# KiCad board led_res_0805_order.kicad_pcb (continued)
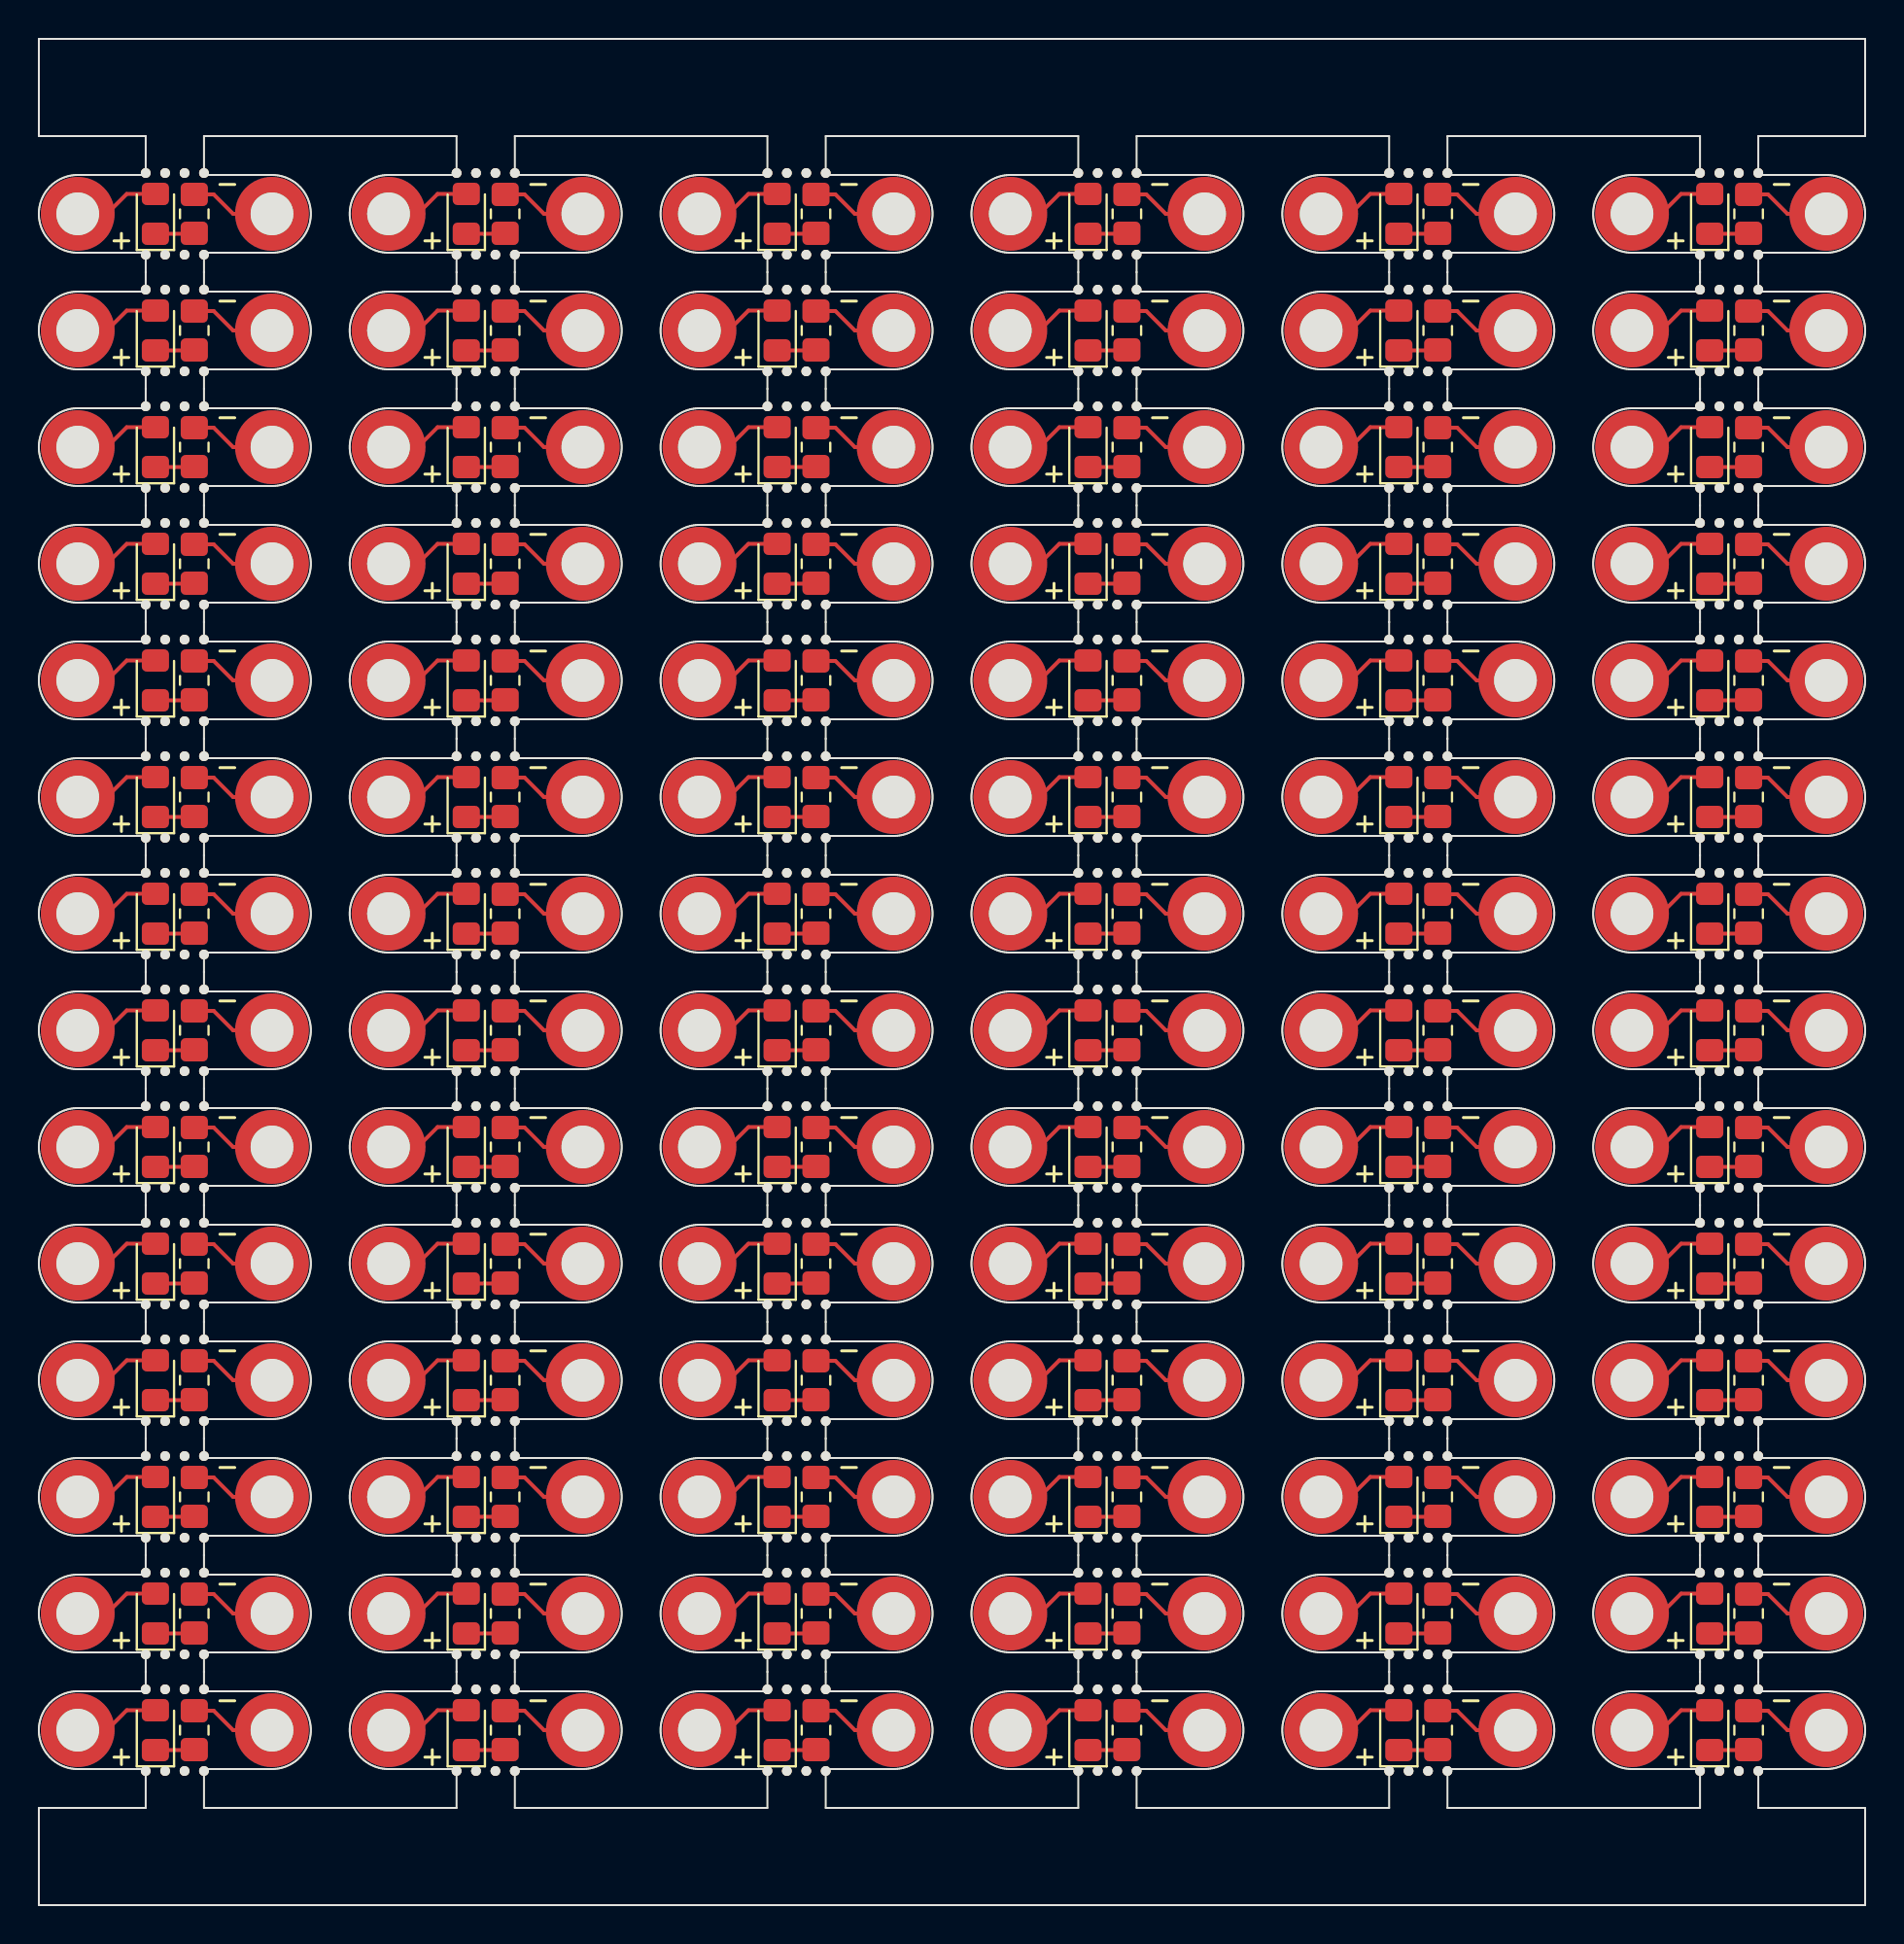
[diagram p0: board, top side]
## Placement (name value [footprint] x y rotation side) (continued)
H2#62  MountingHole_Pad  [MountingHole_2.2mm_M2_DIN965_Pad_TopBottom]  92 45 0 top
H2#63  MountingHole_Pad  [MountingHole_2.2mm_M2_DIN965_Pad_TopBottom]  28 21 0 top
H2#64  MountingHole_Pad  [MountingHole_2.2mm_M2_DIN965_Pad_TopBottom]  28 9 0 top
H2#65  MountingHole_Pad  [MountingHole_2.2mm_M2_DIN965_Pad_TopBottom]  28 39 0 top
H2#66  MountingHole_Pad  [MountingHole_2.2mm_M2_DIN965_Pad_TopBottom]  76 57 0 top
H2#67  MountingHole_Pad  [MountingHole_2.2mm_M2_DIN965_Pad_TopBottom]  76 27 0 top
H2#68  MountingHole_Pad  [MountingHole_2.2mm_M2_DIN965_Pad_TopBottom]  92 39 0 top
H2#69  MountingHole_Pad  [MountingHole_2.2mm_M2_DIN965_Pad_TopBottom]  60 9 0 top
H2#70  MountingHole_Pad  [MountingHole_2.2mm_M2_DIN965_Pad_TopBottom]  92 63 0 top
H2#71  MountingHole_Pad  [MountingHole_2.2mm_M2_DIN965_Pad_TopBottom]  12 63 0 top
H2#72  MountingHole_Pad  [MountingHole_2.2mm_M2_DIN965_Pad_TopBottom]  60 27 0 top
H2#73  MountingHole_Pad  [MountingHole_2.2mm_M2_DIN965_Pad_TopBottom]  60 69 0 top
H2#74  MountingHole_Pad  [MountingHole_2.2mm_M2_DIN965_Pad_TopBottom]  76 21 0 top
H2#75  MountingHole_Pad  [MountingHole_2.2mm_M2_DIN965_Pad_TopBottom]  76 87 0 top
H2#76  MountingHole_Pad  [MountingHole_2.2mm_M2_DIN965_Pad_TopBottom]  60 21 0 top
H2#77  MountingHole_Pad  [MountingHole_2.2mm_M2_DIN965_Pad_TopBottom]  12 69 0 top
H2#78  MountingHole_Pad  [MountingHole_2.2mm_M2_DIN965_Pad_TopBottom]  44 51 0 top
H2#79  MountingHole_Pad  [MountingHole_2.2mm_M2_DIN965_Pad_TopBottom]  60 33 0 top
H2#80  MountingHole_Pad  [MountingHole_2.2mm_M2_DIN965_Pad_TopBottom]  76 81 0 top
H2#81  MountingHole_Pad  [MountingHole_2.2mm_M2_DIN965_Pad_TopBottom]  76 39 0 top
H2#82  MountingHole_Pad  [MountingHole_2.2mm_M2_DIN965_Pad_TopBottom]  44 33 0 top
H2#83  MountingHole_Pad  [MountingHole_2.2mm_M2_DIN965_Pad_TopBottom]  44 15 0 top
H2#84  MountingHole_Pad  [MountingHole_2.2mm_M2_DIN965_Pad_TopBottom]  76 63 0 top
KiKit_MB_1_1  -  [NPTH]  5.5 89.1 0 top
KiKit_MB_1_2  -  [NPTH]  6.5 89.1 0 top
KiKit_MB_1_3  -  [NPTH]  7.5 89.1 0 top
KiKit_MB_1_4  -  [NPTH]  8.5 89.1 0 top
KiKit_MB_2_1  -  [NPTH]  8.5 84.9 0 top
KiKit_MB_2_2  -  [NPTH]  7.5 84.9 0 top
KiKit_MB_2_3  -  [NPTH]  6.5 84.9 0 top
KiKit_MB_2_4  -  [NPTH]  5.5 84.9 0 top
KiKit_MB_3_1  -  [NPTH]  21.5 89.1 0 top
KiKit_MB_3_2  -  [NPTH]  22.5 89.1 0 top
KiKit_MB_3_3  -  [NPTH]  23.5 89.1 0 top
KiKit_MB_3_4  -  [NPTH]  24.5 89.1 0 top
KiKit_MB_4_1  -  [NPTH]  24.5 84.9 0 top
KiKit_MB_4_2  -  [NPTH]  23.5 84.9 0 top
KiKit_MB_4_3  -  [NPTH]  22.5 84.9 0 top
KiKit_MB_4_4  -  [NPTH]  21.5 84.9 0 top
KiKit_MB_5_1  -  [NPTH]  37.5 89.1 0 top
KiKit_MB_5_2  -  [NPTH]  38.5 89.1 0 top
KiKit_MB_5_3  -  [NPTH]  39.5 89.1 0 top
KiKit_MB_5_4  -  [NPTH]  40.5 89.1 0 top
KiKit_MB_6_1  -  [NPTH]  40.5 84.9 0 top
KiKit_MB_6_2  -  [NPTH]  39.5 84.9 0 top
KiKit_MB_6_3  -  [NPTH]  38.5 84.9 0 top
KiKit_MB_6_4  -  [NPTH]  37.5 84.9 0 top
KiKit_MB_7_1  -  [NPTH]  53.5 89.1 0 top
KiKit_MB_7_2  -  [NPTH]  54.5 89.1 0 top
KiKit_MB_7_3  -  [NPTH]  55.5 89.1 0 top
KiKit_MB_7_4  -  [NPTH]  56.5 89.1 0 top
KiKit_MB_8_1  -  [NPTH]  56.5 84.9 0 top
KiKit_MB_8_2  -  [NPTH]  55.5 84.9 0 top
KiKit_MB_8_3  -  [NPTH]  54.5 84.9 0 top
KiKit_MB_8_4  -  [NPTH]  53.5 84.9 0 top
KiKit_MB_9_1  -  [NPTH]  69.5 89.1 0 top
KiKit_MB_9_2  -  [NPTH]  70.5 89.1 0 top
KiKit_MB_9_3  -  [NPTH]  71.5 89.1 0 top
KiKit_MB_9_4  -  [NPTH]  72.5 89.1 0 top
KiKit_MB_10_1  -  [NPTH]  72.5 84.9 0 top
KiKit_MB_10_2  -  [NPTH]  71.5 84.9 0 top
KiKit_MB_10_3  -  [NPTH]  70.5 84.9 0 top
KiKit_MB_10_4  -  [NPTH]  69.5 84.9 0 top
KiKit_MB_11_1  -  [NPTH]  85.5 89.1 0 top
KiKit_MB_11_2  -  [NPTH]  86.5 89.1 0 top
KiKit_MB_11_3  -  [NPTH]  87.5 89.1 0 top
KiKit_MB_11_4  -  [NPTH]  88.5 89.1 0 top
KiKit_MB_12_1  -  [NPTH]  88.5 84.9 0 top
KiKit_MB_12_2  -  [NPTH]  87.5 84.9 0 top
KiKit_MB_12_3  -  [NPTH]  86.5 84.9 0 top
KiKit_MB_12_4  -  [NPTH]  85.5 84.9 0 top
KiKit_MB_13_1  -  [NPTH]  5.5 83.1 0 top
KiKit_MB_13_2  -  [NPTH]  6.5 83.1 0 top
KiKit_MB_13_3  -  [NPTH]  7.5 83.1 0 top
KiKit_MB_13_4  -  [NPTH]  8.5 83.1 0 top
KiKit_MB_14_1  -  [NPTH]  8.5 78.9 0 top
KiKit_MB_14_2  -  [NPTH]  7.5 78.9 0 top
KiKit_MB_14_3  -  [NPTH]  6.5 78.9 0 top
KiKit_MB_14_4  -  [NPTH]  5.5 78.9 0 top
KiKit_MB_15_1  -  [NPTH]  21.5 83.1 0 top
KiKit_MB_15_2  -  [NPTH]  22.5 83.1 0 top
KiKit_MB_15_3  -  [NPTH]  23.5 83.1 0 top
KiKit_MB_15_4  -  [NPTH]  24.5 83.1 0 top
KiKit_MB_16_1  -  [NPTH]  24.5 78.9 0 top
KiKit_MB_16_2  -  [NPTH]  23.5 78.9 0 top
KiKit_MB_16_3  -  [NPTH]  22.5 78.9 0 top
KiKit_MB_16_4  -  [NPTH]  21.5 78.9 0 top
KiKit_MB_17_1  -  [NPTH]  37.5 83.1 0 top
KiKit_MB_17_2  -  [NPTH]  38.5 83.1 0 top
KiKit_MB_17_3  -  [NPTH]  39.5 83.1 0 top
KiKit_MB_17_4  -  [NPTH]  40.5 83.1 0 top
KiKit_MB_18_1  -  [NPTH]  40.5 78.9 0 top
KiKit_MB_18_2  -  [NPTH]  39.5 78.9 0 top
KiKit_MB_18_3  -  [NPTH]  38.5 78.9 0 top
KiKit_MB_18_4  -  [NPTH]  37.5 78.9 0 top
KiKit_MB_19_1  -  [NPTH]  53.5 83.1 0 top
KiKit_MB_19_2  -  [NPTH]  54.5 83.1 0 top
KiKit_MB_19_3  -  [NPTH]  55.5 83.1 0 top
KiKit_MB_19_4  -  [NPTH]  56.5 83.1 0 top
KiKit_MB_20_1  -  [NPTH]  56.5 78.9 0 top
KiKit_MB_20_2  -  [NPTH]  55.5 78.9 0 top
KiKit_MB_20_3  -  [NPTH]  54.5 78.9 0 top
KiKit_MB_20_4  -  [NPTH]  53.5 78.9 0 top
KiKit_MB_21_1  -  [NPTH]  69.5 83.1 0 top
KiKit_MB_21_2  -  [NPTH]  70.5 83.1 0 top
KiKit_MB_21_3  -  [NPTH]  71.5 83.1 0 top
KiKit_MB_21_4  -  [NPTH]  72.5 83.1 0 top
KiKit_MB_22_1  -  [NPTH]  72.5 78.9 0 top
KiKit_MB_22_2  -  [NPTH]  71.5 78.9 0 top
KiKit_MB_22_3  -  [NPTH]  70.5 78.9 0 top
KiKit_MB_22_4  -  [NPTH]  69.5 78.9 0 top
KiKit_MB_23_1  -  [NPTH]  85.5 83.1 0 top
KiKit_MB_23_2  -  [NPTH]  86.5 83.1 0 top
KiKit_MB_23_3  -  [NPTH]  87.5 83.1 0 top
KiKit_MB_23_4  -  [NPTH]  88.5 83.1 0 top
KiKit_MB_24_1  -  [NPTH]  88.5 78.9 0 top
KiKit_MB_24_2  -  [NPTH]  87.5 78.9 0 top
KiKit_MB_24_3  -  [NPTH]  86.5 78.9 0 top
KiKit_MB_24_4  -  [NPTH]  85.5 78.9 0 top
KiKit_MB_25_1  -  [NPTH]  5.5 77.1 0 top
KiKit_MB_25_2  -  [NPTH]  6.5 77.1 0 top
KiKit_MB_25_3  -  [NPTH]  7.5 77.1 0 top
KiKit_MB_25_4  -  [NPTH]  8.5 77.1 0 top
KiKit_MB_26_1  -  [NPTH]  8.5 72.9 0 top
KiKit_MB_26_2  -  [NPTH]  7.5 72.9 0 top
KiKit_MB_26_3  -  [NPTH]  6.5 72.9 0 top
KiKit_MB_26_4  -  [NPTH]  5.5 72.9 0 top
KiKit_MB_27_1  -  [NPTH]  21.5 77.1 0 top
KiKit_MB_27_2  -  [NPTH]  22.5 77.1 0 top
KiKit_MB_27_3  -  [NPTH]  23.5 77.1 0 top
KiKit_MB_27_4  -  [NPTH]  24.5 77.1 0 top
KiKit_MB_28_1  -  [NPTH]  24.5 72.9 0 top
KiKit_MB_28_2  -  [NPTH]  23.5 72.9 0 top
KiKit_MB_28_3  -  [NPTH]  22.5 72.9 0 top
KiKit_MB_28_4  -  [NPTH]  21.5 72.9 0 top
KiKit_MB_29_1  -  [NPTH]  37.5 77.1 0 top
KiKit_MB_29_2  -  [NPTH]  38.5 77.1 0 top
KiKit_MB_29_3  -  [NPTH]  39.5 77.1 0 top
KiKit_MB_29_4  -  [NPTH]  40.5 77.1 0 top
KiKit_MB_30_1  -  [NPTH]  40.5 72.9 0 top
KiKit_MB_30_2  -  [NPTH]  39.5 72.9 0 top
KiKit_MB_30_3  -  [NPTH]  38.5 72.9 0 top
KiKit_MB_30_4  -  [NPTH]  37.5 72.9 0 top
KiKit_MB_31_1  -  [NPTH]  53.5 77.1 0 top
KiKit_MB_31_2  -  [NPTH]  54.5 77.1 0 top
KiKit_MB_31_3  -  [NPTH]  55.5 77.1 0 top
KiKit_MB_31_4  -  [NPTH]  56.5 77.1 0 top
KiKit_MB_32_1  -  [NPTH]  56.5 72.9 0 top
KiKit_MB_32_2  -  [NPTH]  55.5 72.9 0 top
KiKit_MB_32_3  -  [NPTH]  54.5 72.9 0 top
KiKit_MB_32_4  -  [NPTH]  53.5 72.9 0 top
KiKit_MB_33_1  -  [NPTH]  69.5 77.1 0 top
KiKit_MB_33_2  -  [NPTH]  70.5 77.1 0 top
KiKit_MB_33_3  -  [NPTH]  71.5 77.1 0 top
KiKit_MB_33_4  -  [NPTH]  72.5 77.1 0 top
KiKit_MB_34_1  -  [NPTH]  72.5 72.9 0 top
KiKit_MB_34_2  -  [NPTH]  71.5 72.9 0 top
KiKit_MB_34_3  -  [NPTH]  70.5 72.9 0 top
KiKit_MB_34_4  -  [NPTH]  69.5 72.9 0 top
KiKit_MB_35_1  -  [NPTH]  85.5 77.1 0 top
KiKit_MB_35_2  -  [NPTH]  86.5 77.1 0 top
KiKit_MB_35_3  -  [NPTH]  87.5 77.1 0 top
KiKit_MB_35_4  -  [NPTH]  88.5 77.1 0 top
KiKit_MB_36_1  -  [NPTH]  88.5 72.9 0 top
KiKit_MB_36_2  -  [NPTH]  87.5 72.9 0 top
KiKit_MB_36_3  -  [NPTH]  86.5 72.9 0 top
KiKit_MB_36_4  -  [NPTH]  85.5 72.9 0 top
KiKit_MB_37_1  -  [NPTH]  5.5 71.1 0 top
KiKit_MB_37_2  -  [NPTH]  6.5 71.1 0 top
KiKit_MB_37_3  -  [NPTH]  7.5 71.1 0 top
KiKit_MB_37_4  -  [NPTH]  8.5 71.1 0 top
KiKit_MB_38_1  -  [NPTH]  8.5 66.9 0 top
KiKit_MB_38_2  -  [NPTH]  7.5 66.9 0 top
KiKit_MB_38_3  -  [NPTH]  6.5 66.9 0 top
KiKit_MB_38_4  -  [NPTH]  5.5 66.9 0 top
KiKit_MB_39_1  -  [NPTH]  21.5 71.1 0 top
KiKit_MB_39_2  -  [NPTH]  22.5 71.1 0 top
KiKit_MB_39_3  -  [NPTH]  23.5 71.1 0 top
KiKit_MB_39_4  -  [NPTH]  24.5 71.1 0 top
KiKit_MB_40_1  -  [NPTH]  24.5 66.9 0 top
KiKit_MB_40_2  -  [NPTH]  23.5 66.9 0 top
KiKit_MB_40_3  -  [NPTH]  22.5 66.9 0 top
KiKit_MB_40_4  -  [NPTH]  21.5 66.9 0 top
KiKit_MB_41_1  -  [NPTH]  37.5 71.1 0 top
KiKit_MB_41_2  -  [NPTH]  38.5 71.1 0 top
KiKit_MB_41_3  -  [NPTH]  39.5 71.1 0 top
KiKit_MB_41_4  -  [NPTH]  40.5 71.1 0 top
KiKit_MB_42_1  -  [NPTH]  40.5 66.9 0 top
KiKit_MB_42_2  -  [NPTH]  39.5 66.9 0 top
KiKit_MB_42_3  -  [NPTH]  38.5 66.9 0 top
KiKit_MB_42_4  -  [NPTH]  37.5 66.9 0 top
KiKit_MB_43_1  -  [NPTH]  53.5 71.1 0 top
KiKit_MB_43_2  -  [NPTH]  54.5 71.1 0 top
KiKit_MB_43_3  -  [NPTH]  55.5 71.1 0 top
KiKit_MB_43_4  -  [NPTH]  56.5 71.1 0 top
KiKit_MB_44_1  -  [NPTH]  56.5 66.9 0 top
KiKit_MB_44_2  -  [NPTH]  55.5 66.9 0 top
KiKit_MB_44_3  -  [NPTH]  54.5 66.9 0 top
KiKit_MB_44_4  -  [NPTH]  53.5 66.9 0 top
KiKit_MB_45_1  -  [NPTH]  69.5 71.1 0 top
KiKit_MB_45_2  -  [NPTH]  70.5 71.1 0 top
KiKit_MB_45_3  -  [NPTH]  71.5 71.1 0 top
KiKit_MB_45_4  -  [NPTH]  72.5 71.1 0 top
KiKit_MB_46_1  -  [NPTH]  72.5 66.9 0 top
KiKit_MB_46_2  -  [NPTH]  71.5 66.9 0 top
KiKit_MB_46_3  -  [NPTH]  70.5 66.9 0 top
KiKit_MB_46_4  -  [NPTH]  69.5 66.9 0 top
KiKit_MB_47_1  -  [NPTH]  85.5 71.1 0 top
KiKit_MB_47_2  -  [NPTH]  86.5 71.1 0 top
KiKit_MB_47_3  -  [NPTH]  87.5 71.1 0 top
KiKit_MB_47_4  -  [NPTH]  88.5 71.1 0 top
KiKit_MB_48_1  -  [NPTH]  88.5 66.9 0 top
KiKit_MB_48_2  -  [NPTH]  87.5 66.9 0 top
KiKit_MB_48_3  -  [NPTH]  86.5 66.9 0 top
KiKit_MB_48_4  -  [NPTH]  85.5 66.9 0 top
KiKit_MB_49_1  -  [NPTH]  5.5 65.1 0 top
KiKit_MB_49_2  -  [NPTH]  6.5 65.1 0 top
KiKit_MB_49_3  -  [NPTH]  7.5 65.1 0 top
KiKit_MB_49_4  -  [NPTH]  8.5 65.1 0 top
KiKit_MB_50_1  -  [NPTH]  8.5 60.9 0 top
KiKit_MB_50_2  -  [NPTH]  7.5 60.9 0 top
KiKit_MB_50_3  -  [NPTH]  6.5 60.9 0 top
KiKit_MB_50_4  -  [NPTH]  5.5 60.9 0 top
KiKit_MB_51_1  -  [NPTH]  21.5 65.1 0 top
KiKit_MB_51_2  -  [NPTH]  22.5 65.1 0 top
KiKit_MB_51_3  -  [NPTH]  23.5 65.1 0 top
KiKit_MB_51_4  -  [NPTH]  24.5 65.1 0 top
KiKit_MB_52_1  -  [NPTH]  24.5 60.9 0 top
KiKit_MB_52_2  -  [NPTH]  23.5 60.9 0 top
KiKit_MB_52_3  -  [NPTH]  22.5 60.9 0 top
KiKit_MB_52_4  -  [NPTH]  21.5 60.9 0 top
KiKit_MB_53_1  -  [NPTH]  37.5 65.1 0 top
KiKit_MB_53_2  -  [NPTH]  38.5 65.1 0 top
KiKit_MB_53_3  -  [NPTH]  39.5 65.1 0 top
KiKit_MB_53_4  -  [NPTH]  40.5 65.1 0 top
KiKit_MB_54_1  -  [NPTH]  40.5 60.9 0 top
KiKit_MB_54_2  -  [NPTH]  39.5 60.9 0 top
KiKit_MB_54_3  -  [NPTH]  38.5 60.9 0 top
KiKit_MB_54_4  -  [NPTH]  37.5 60.9 0 top
KiKit_MB_55_1  -  [NPTH]  53.5 65.1 0 top
KiKit_MB_55_2  -  [NPTH]  54.5 65.1 0 top
KiKit_MB_55_3  -  [NPTH]  55.5 65.1 0 top
KiKit_MB_55_4  -  [NPTH]  56.5 65.1 0 top
KiKit_MB_56_1  -  [NPTH]  56.5 60.9 0 top
KiKit_MB_56_2  -  [NPTH]  55.5 60.9 0 top
KiKit_MB_56_3  -  [NPTH]  54.5 60.9 0 top
KiKit_MB_56_4  -  [NPTH]  53.5 60.9 0 top
KiKit_MB_57_1  -  [NPTH]  69.5 65.1 0 top
KiKit_MB_57_2  -  [NPTH]  70.5 65.1 0 top
KiKit_MB_57_3  -  [NPTH]  71.5 65.1 0 top
KiKit_MB_57_4  -  [NPTH]  72.5 65.1 0 top
KiKit_MB_58_1  -  [NPTH]  72.5 60.9 0 top
KiKit_MB_58_2  -  [NPTH]  71.5 60.9 0 top
KiKit_MB_58_3  -  [NPTH]  70.5 60.9 0 top
KiKit_MB_58_4  -  [NPTH]  69.5 60.9 0 top
KiKit_MB_59_1  -  [NPTH]  85.5 65.1 0 top
KiKit_MB_59_2  -  [NPTH]  86.5 65.1 0 top
KiKit_MB_59_3  -  [NPTH]  87.5 65.1 0 top
KiKit_MB_59_4  -  [NPTH]  88.5 65.1 0 top
KiKit_MB_60_1  -  [NPTH]  88.5 60.9 0 top
KiKit_MB_60_2  -  [NPTH]  87.5 60.9 0 top
KiKit_MB_60_3  -  [NPTH]  86.5 60.9 0 top
KiKit_MB_60_4  -  [NPTH]  85.5 60.9 0 top
KiKit_MB_61_1  -  [NPTH]  5.5 59.1 0 top
KiKit_MB_61_2  -  [NPTH]  6.5 59.1 0 top
KiKit_MB_61_3  -  [NPTH]  7.5 59.1 0 top
KiKit_MB_61_4  -  [NPTH]  8.5 59.1 0 top
KiKit_MB_62_1  -  [NPTH]  8.5 54.9 0 top
KiKit_MB_62_2  -  [NPTH]  7.5 54.9 0 top
KiKit_MB_62_3  -  [NPTH]  6.5 54.9 0 top
KiKit_MB_62_4  -  [NPTH]  5.5 54.9 0 top
KiKit_MB_63_1  -  [NPTH]  21.5 59.1 0 top
KiKit_MB_63_2  -  [NPTH]  22.5 59.1 0 top
KiKit_MB_63_3  -  [NPTH]  23.5 59.1 0 top
KiKit_MB_63_4  -  [NPTH]  24.5 59.1 0 top
KiKit_MB_64_1  -  [NPTH]  24.5 54.9 0 top
KiKit_MB_64_2  -  [NPTH]  23.5 54.9 0 top
KiKit_MB_64_3  -  [NPTH]  22.5 54.9 0 top
KiKit_MB_64_4  -  [NPTH]  21.5 54.9 0 top
KiKit_MB_65_1  -  [NPTH]  37.5 59.1 0 top
KiKit_MB_65_2  -  [NPTH]  38.5 59.1 0 top
KiKit_MB_65_3  -  [NPTH]  39.5 59.1 0 top
KiKit_MB_65_4  -  [NPTH]  40.5 59.1 0 top
KiKit_MB_66_1  -  [NPTH]  40.5 54.9 0 top
KiKit_MB_66_2  -  [NPTH]  39.5 54.9 0 top
KiKit_MB_66_3  -  [NPTH]  38.5 54.9 0 top
KiKit_MB_66_4  -  [NPTH]  37.5 54.9 0 top
KiKit_MB_67_1  -  [NPTH]  53.5 59.1 0 top
KiKit_MB_67_2  -  [NPTH]  54.5 59.1 0 top
KiKit_MB_67_3  -  [NPTH]  55.5 59.1 0 top
KiKit_MB_67_4  -  [NPTH]  56.5 59.1 0 top
KiKit_MB_68_1  -  [NPTH]  56.5 54.9 0 top
KiKit_MB_68_2  -  [NPTH]  55.5 54.9 0 top
KiKit_MB_68_3  -  [NPTH]  54.5 54.9 0 top
KiKit_MB_68_4  -  [NPTH]  53.5 54.9 0 top
KiKit_MB_69_1  -  [NPTH]  69.5 59.1 0 top
KiKit_MB_69_2  -  [NPTH]  70.5 59.1 0 top
KiKit_MB_69_3  -  [NPTH]  71.5 59.1 0 top
KiKit_MB_69_4  -  [NPTH]  72.5 59.1 0 top
KiKit_MB_70_1  -  [NPTH]  72.5 54.9 0 top
KiKit_MB_70_2  -  [NPTH]  71.5 54.9 0 top
KiKit_MB_70_3  -  [NPTH]  70.5 54.9 0 top
KiKit_MB_70_4  -  [NPTH]  69.5 54.9 0 top
KiKit_MB_71_1  -  [NPTH]  85.5 59.1 0 top
KiKit_MB_71_2  -  [NPTH]  86.5 59.1 0 top
KiKit_MB_71_3  -  [NPTH]  87.5 59.1 0 top
KiKit_MB_71_4  -  [NPTH]  88.5 59.1 0 top
KiKit_MB_72_1  -  [NPTH]  88.5 54.9 0 top
KiKit_MB_72_2  -  [NPTH]  87.5 54.9 0 top
KiKit_MB_72_3  -  [NPTH]  86.5 54.9 0 top
KiKit_MB_72_4  -  [NPTH]  85.5 54.9 0 top
KiKit_MB_73_1  -  [NPTH]  5.5 53.1 0 top
KiKit_MB_73_2  -  [NPTH]  6.5 53.1 0 top
KiKit_MB_73_3  -  [NPTH]  7.5 53.1 0 top
KiKit_MB_73_4  -  [NPTH]  8.5 53.1 0 top
KiKit_MB_74_1  -  [NPTH]  8.5 48.9 0 top
KiKit_MB_74_2  -  [NPTH]  7.5 48.9 0 top
KiKit_MB_74_3  -  [NPTH]  6.5 48.9 0 top
KiKit_MB_74_4  -  [NPTH]  5.5 48.9 0 top
KiKit_MB_75_1  -  [NPTH]  21.5 53.1 0 top
KiKit_MB_75_2  -  [NPTH]  22.5 53.1 0 top
KiKit_MB_75_3  -  [NPTH]  23.5 53.1 0 top
KiKit_MB_75_4  -  [NPTH]  24.5 53.1 0 top
KiKit_MB_76_1  -  [NPTH]  24.5 48.9 0 top
KiKit_MB_76_2  -  [NPTH]  23.5 48.9 0 top
KiKit_MB_76_3  -  [NPTH]  22.5 48.9 0 top
KiKit_MB_76_4  -  [NPTH]  21.5 48.9 0 top
KiKit_MB_77_1  -  [NPTH]  37.5 53.1 0 top
KiKit_MB_77_2  -  [NPTH]  38.5 53.1 0 top
KiKit_MB_77_3  -  [NPTH]  39.5 53.1 0 top
KiKit_MB_77_4  -  [NPTH]  40.5 53.1 0 top
KiKit_MB_78_1  -  [NPTH]  40.5 48.9 0 top
KiKit_MB_78_2  -  [NPTH]  39.5 48.9 0 top
KiKit_MB_78_3  -  [NPTH]  38.5 48.9 0 top
KiKit_MB_78_4  -  [NPTH]  37.5 48.9 0 top
KiKit_MB_79_1  -  [NPTH]  53.5 53.1 0 top
KiKit_MB_79_2  -  [NPTH]  54.5 53.1 0 top
KiKit_MB_79_3  -  [NPTH]  55.5 53.1 0 top
KiKit_MB_79_4  -  [NPTH]  56.5 53.1 0 top
KiKit_MB_80_1  -  [NPTH]  56.5 48.9 0 top
KiKit_MB_80_2  -  [NPTH]  55.5 48.9 0 top
KiKit_MB_80_3  -  [NPTH]  54.5 48.9 0 top
KiKit_MB_80_4  -  [NPTH]  53.5 48.9 0 top
KiKit_MB_81_1  -  [NPTH]  69.5 53.1 0 top
KiKit_MB_81_2  -  [NPTH]  70.5 53.1 0 top
KiKit_MB_81_3  -  [NPTH]  71.5 53.1 0 top
KiKit_MB_81_4  -  [NPTH]  72.5 53.1 0 top
KiKit_MB_82_1  -  [NPTH]  72.5 48.9 0 top
KiKit_MB_82_2  -  [NPTH]  71.5 48.9 0 top
KiKit_MB_82_3  -  [NPTH]  70.5 48.9 0 top
KiKit_MB_82_4  -  [NPTH]  69.5 48.9 0 top
KiKit_MB_83_1  -  [NPTH]  85.5 53.1 0 top
KiKit_MB_83_2  -  [NPTH]  86.5 53.1 0 top
KiKit_MB_83_3  -  [NPTH]  87.5 53.1 0 top
KiKit_MB_83_4  -  [NPTH]  88.5 53.1 0 top
KiKit_MB_84_1  -  [NPTH]  88.5 48.9 0 top
KiKit_MB_84_2  -  [NPTH]  87.5 48.9 0 top
KiKit_MB_84_3  -  [NPTH]  86.5 48.9 0 top
KiKit_MB_84_4  -  [NPTH]  85.5 48.9 0 top
KiKit_MB_85_1  -  [NPTH]  5.5 47.1 0 top
KiKit_MB_85_2  -  [NPTH]  6.5 47.1 0 top
KiKit_MB_85_3  -  [NPTH]  7.5 47.1 0 top
KiKit_MB_85_4  -  [NPTH]  8.5 47.1 0 top
KiKit_MB_86_1  -  [NPTH]  8.5 42.9 0 top
KiKit_MB_86_2  -  [NPTH]  7.5 42.9 0 top
KiKit_MB_86_3  -  [NPTH]  6.5 42.9 0 top
KiKit_MB_86_4  -  [NPTH]  5.5 42.9 0 top
KiKit_MB_87_1  -  [NPTH]  21.5 47.1 0 top
KiKit_MB_87_2  -  [NPTH]  22.5 47.1 0 top
KiKit_MB_87_3  -  [NPTH]  23.5 47.1 0 top
KiKit_MB_87_4  -  [NPTH]  24.5 47.1 0 top
KiKit_MB_88_1  -  [NPTH]  24.5 42.9 0 top
KiKit_MB_88_2  -  [NPTH]  23.5 42.9 0 top
KiKit_MB_88_3  -  [NPTH]  22.5 42.9 0 top
KiKit_MB_88_4  -  [NPTH]  21.5 42.9 0 top
KiKit_MB_89_1  -  [NPTH]  37.5 47.1 0 top
KiKit_MB_89_2  -  [NPTH]  38.5 47.1 0 top
KiKit_MB_89_3  -  [NPTH]  39.5 47.1 0 top
KiKit_MB_89_4  -  [NPTH]  40.5 47.1 0 top
KiKit_MB_90_1  -  [NPTH]  40.5 42.9 0 top
KiKit_MB_90_2  -  [NPTH]  39.5 42.9 0 top
KiKit_MB_90_3  -  [NPTH]  38.5 42.9 0 top
KiKit_MB_90_4  -  [NPTH]  37.5 42.9 0 top
KiKit_MB_91_1  -  [NPTH]  53.5 47.1 0 top
KiKit_MB_91_2  -  [NPTH]  54.5 47.1 0 top
KiKit_MB_91_3  -  [NPTH]  55.5 47.1 0 top
KiKit_MB_91_4  -  [NPTH]  56.5 47.1 0 top
KiKit_MB_92_1  -  [NPTH]  56.5 42.9 0 top
KiKit_MB_92_2  -  [NPTH]  55.5 42.9 0 top
KiKit_MB_92_3  -  [NPTH]  54.5 42.9 0 top
KiKit_MB_92_4  -  [NPTH]  53.5 42.9 0 top
KiKit_MB_93_1  -  [NPTH]  69.5 47.1 0 top
KiKit_MB_93_2  -  [NPTH]  70.5 47.1 0 top
KiKit_MB_93_3  -  [NPTH]  71.5 47.1 0 top
KiKit_MB_93_4  -  [NPTH]  72.5 47.1 0 top
KiKit_MB_94_1  -  [NPTH]  72.5 42.9 0 top
KiKit_MB_94_2  -  [NPTH]  71.5 42.9 0 top
KiKit_MB_94_3  -  [NPTH]  70.5 42.9 0 top
KiKit_MB_94_4  -  [NPTH]  69.5 42.9 0 top
KiKit_MB_95_1  -  [NPTH]  85.5 47.1 0 top
KiKit_MB_95_2  -  [NPTH]  86.5 47.1 0 top
KiKit_MB_95_3  -  [NPTH]  87.5 47.1 0 top
KiKit_MB_95_4  -  [NPTH]  88.5 47.1 0 top
KiKit_MB_96_1  -  [NPTH]  88.5 42.9 0 top
KiKit_MB_96_2  -  [NPTH]  87.5 42.9 0 top
KiKit_MB_96_3  -  [NPTH]  86.5 42.9 0 top
KiKit_MB_96_4  -  [NPTH]  85.5 42.9 0 top
KiKit_MB_97_1  -  [NPTH]  5.5 41.1 0 top
KiKit_MB_97_2  -  [NPTH]  6.5 41.1 0 top
KiKit_MB_97_3  -  [NPTH]  7.5 41.1 0 top
KiKit_MB_97_4  -  [NPTH]  8.5 41.1 0 top
KiKit_MB_98_1  -  [NPTH]  8.5 36.9 0 top
KiKit_MB_98_2  -  [NPTH]  7.5 36.9 0 top
KiKit_MB_98_3  -  [NPTH]  6.5 36.9 0 top
KiKit_MB_98_4  -  [NPTH]  5.5 36.9 0 top
KiKit_MB_99_1  -  [NPTH]  21.5 41.1 0 top
KiKit_MB_99_2  -  [NPTH]  22.5 41.1 0 top
KiKit_MB_99_3  -  [NPTH]  23.5 41.1 0 top
KiKit_MB_99_4  -  [NPTH]  24.5 41.1 0 top
KiKit_MB_100_1  -  [NPTH]  24.5 36.9 0 top
KiKit_MB_100_2  -  [NPTH]  23.5 36.9 0 top
KiKit_MB_100_3  -  [NPTH]  22.5 36.9 0 top
KiKit_MB_100_4  -  [NPTH]  21.5 36.9 0 top
KiKit_MB_101_1  -  [NPTH]  37.5 41.1 0 top
KiKit_MB_101_2  -  [NPTH]  38.5 41.1 0 top
KiKit_MB_101_3  -  [NPTH]  39.5 41.1 0 top
KiKit_MB_101_4  -  [NPTH]  40.5 41.1 0 top
KiKit_MB_102_1  -  [NPTH]  40.5 36.9 0 top
KiKit_MB_102_2  -  [NPTH]  39.5 36.9 0 top
KiKit_MB_102_3  -  [NPTH]  38.5 36.9 0 top
KiKit_MB_102_4  -  [NPTH]  37.5 36.9 0 top
KiKit_MB_103_1  -  [NPTH]  53.5 41.1 0 top
KiKit_MB_103_2  -  [NPTH]  54.5 41.1 0 top
KiKit_MB_103_3  -  [NPTH]  55.5 41.1 0 top
KiKit_MB_103_4  -  [NPTH]  56.5 41.1 0 top
KiKit_MB_104_1  -  [NPTH]  56.5 36.9 0 top
KiKit_MB_104_2  -  [NPTH]  55.5 36.9 0 top
KiKit_MB_104_3  -  [NPTH]  54.5 36.9 0 top
KiKit_MB_104_4  -  [NPTH]  53.5 36.9 0 top
KiKit_MB_105_1  -  [NPTH]  69.5 41.1 0 top
KiKit_MB_105_2  -  [NPTH]  70.5 41.1 0 top
KiKit_MB_105_3  -  [NPTH]  71.5 41.1 0 top
KiKit_MB_105_4  -  [NPTH]  72.5 41.1 0 top
KiKit_MB_106_1  -  [NPTH]  72.5 36.9 0 top
KiKit_MB_106_2  -  [NPTH]  71.5 36.9 0 top
KiKit_MB_106_3  -  [NPTH]  70.5 36.9 0 top
KiKit_MB_106_4  -  [NPTH]  69.5 36.9 0 top
KiKit_MB_107_1  -  [NPTH]  85.5 41.1 0 top
KiKit_MB_107_2  -  [NPTH]  86.5 41.1 0 top
KiKit_MB_107_3  -  [NPTH]  87.5 41.1 0 top
KiKit_MB_107_4  -  [NPTH]  88.5 41.1 0 top
KiKit_MB_108_1  -  [NPTH]  88.5 36.9 0 top
KiKit_MB_108_2  -  [NPTH]  87.5 36.9 0 top
KiKit_MB_108_3  -  [NPTH]  86.5 36.9 0 top
KiKit_MB_108_4  -  [NPTH]  85.5 36.9 0 top
KiKit_MB_109_1  -  [NPTH]  5.5 35.1 0 top
KiKit_MB_109_2  -  [NPTH]  6.5 35.1 0 top
KiKit_MB_109_3  -  [NPTH]  7.5 35.1 0 top
KiKit_MB_109_4  -  [NPTH]  8.5 35.1 0 top
KiKit_MB_110_1  -  [NPTH]  8.5 30.9 0 top
KiKit_MB_110_2  -  [NPTH]  7.5 30.9 0 top
KiKit_MB_110_3  -  [NPTH]  6.5 30.9 0 top
KiKit_MB_110_4  -  [NPTH]  5.5 30.9 0 top
KiKit_MB_111_1  -  [NPTH]  21.5 35.1 0 top
KiKit_MB_111_2  -  [NPTH]  22.5 35.1 0 top
KiKit_MB_111_3  -  [NPTH]  23.5 35.1 0 top
KiKit_MB_111_4  -  [NPTH]  24.5 35.1 0 top
KiKit_MB_112_1  -  [NPTH]  24.5 30.9 0 top
KiKit_MB_112_2  -  [NPTH]  23.5 30.9 0 top
KiKit_MB_112_3  -  [NPTH]  22.5 30.9 0 top
KiKit_MB_112_4  -  [NPTH]  21.5 30.9 0 top
KiKit_MB_113_1  -  [NPTH]  37.5 35.1 0 top
KiKit_MB_113_2  -  [NPTH]  38.5 35.1 0 top
KiKit_MB_113_3  -  [NPTH]  39.5 35.1 0 top
KiKit_MB_113_4  -  [NPTH]  40.5 35.1 0 top
KiKit_MB_114_1  -  [NPTH]  40.5 30.9 0 top
KiKit_MB_114_2  -  [NPTH]  39.5 30.9 0 top
KiKit_MB_114_3  -  [NPTH]  38.5 30.9 0 top
KiKit_MB_114_4  -  [NPTH]  37.5 30.9 0 top
KiKit_MB_115_1  -  [NPTH]  53.5 35.1 0 top
KiKit_MB_115_2  -  [NPTH]  54.5 35.1 0 top
KiKit_MB_115_3  -  [NPTH]  55.5 35.1 0 top
KiKit_MB_115_4  -  [NPTH]  56.5 35.1 0 top
KiKit_MB_116_1  -  [NPTH]  56.5 30.9 0 top
KiKit_MB_116_2  -  [NPTH]  55.5 30.9 0 top
KiKit_MB_116_3  -  [NPTH]  54.5 30.9 0 top
KiKit_MB_116_4  -  [NPTH]  53.5 30.9 0 top
KiKit_MB_117_1  -  [NPTH]  69.5 35.1 0 top
KiKit_MB_117_2  -  [NPTH]  70.5 35.1 0 top
KiKit_MB_117_3  -  [NPTH]  71.5 35.1 0 top
KiKit_MB_117_4  -  [NPTH]  72.5 35.1 0 top
KiKit_MB_118_1  -  [NPTH]  72.5 30.9 0 top
KiKit_MB_118_2  -  [NPTH]  71.5 30.9 0 top
KiKit_MB_118_3  -  [NPTH]  70.5 30.9 0 top
KiKit_MB_118_4  -  [NPTH]  69.5 30.9 0 top
KiKit_MB_119_1  -  [NPTH]  85.5 35.1 0 top
KiKit_MB_119_2  -  [NPTH]  86.5 35.1 0 top
KiKit_MB_119_3  -  [NPTH]  87.5 35.1 0 top
KiKit_MB_119_4  -  [NPTH]  88.5 35.1 0 top
KiKit_MB_120_1  -  [NPTH]  88.5 30.9 0 top
KiKit_MB_120_2  -  [NPTH]  87.5 30.9 0 top
KiKit_MB_120_3  -  [NPTH]  86.5 30.9 0 top
KiKit_MB_120_4  -  [NPTH]  85.5 30.9 0 top
KiKit_MB_121_1  -  [NPTH]  5.5 29.1 0 top
KiKit_MB_121_2  -  [NPTH]  6.5 29.1 0 top
KiKit_MB_121_3  -  [NPTH]  7.5 29.1 0 top
KiKit_MB_121_4  -  [NPTH]  8.5 29.1 0 top
KiKit_MB_122_1  -  [NPTH]  8.5 24.9 0 top
KiKit_MB_122_2  -  [NPTH]  7.5 24.9 0 top
KiKit_MB_122_3  -  [NPTH]  6.5 24.9 0 top
KiKit_MB_122_4  -  [NPTH]  5.5 24.9 0 top
KiKit_MB_123_1  -  [NPTH]  21.5 29.1 0 top
KiKit_MB_123_2  -  [NPTH]  22.5 29.1 0 top
KiKit_MB_123_3  -  [NPTH]  23.5 29.1 0 top
KiKit_MB_123_4  -  [NPTH]  24.5 29.1 0 top
KiKit_MB_124_1  -  [NPTH]  24.5 24.9 0 top
KiKit_MB_124_2  -  [NPTH]  23.5 24.9 0 top
KiKit_MB_124_3  -  [NPTH]  22.5 24.9 0 top
KiKit_MB_124_4  -  [NPTH]  21.5 24.9 0 top
KiKit_MB_125_1  -  [NPTH]  37.5 29.1 0 top
KiKit_MB_125_2  -  [NPTH]  38.5 29.1 0 top
KiKit_MB_125_3  -  [NPTH]  39.5 29.1 0 top
KiKit_MB_125_4  -  [NPTH]  40.5 29.1 0 top
KiKit_MB_126_1  -  [NPTH]  40.5 24.9 0 top
KiKit_MB_126_2  -  [NPTH]  39.5 24.9 0 top
KiKit_MB_126_3  -  [NPTH]  38.5 24.9 0 top
KiKit_MB_126_4  -  [NPTH]  37.5 24.9 0 top
KiKit_MB_127_1  -  [NPTH]  53.5 29.1 0 top
KiKit_MB_127_2  -  [NPTH]  54.5 29.1 0 top
KiKit_MB_127_3  -  [NPTH]  55.5 29.1 0 top
KiKit_MB_127_4  -  [NPTH]  56.5 29.1 0 top
KiKit_MB_128_1  -  [NPTH]  56.5 24.9 0 top
KiKit_MB_128_2  -  [NPTH]  55.5 24.9 0 top
KiKit_MB_128_3  -  [NPTH]  54.5 24.9 0 top
KiKit_MB_128_4  -  [NPTH]  53.5 24.9 0 top
KiKit_MB_129_1  -  [NPTH]  69.5 29.1 0 top
KiKit_MB_129_2  -  [NPTH]  70.5 29.1 0 top
KiKit_MB_129_3  -  [NPTH]  71.5 29.1 0 top
KiKit_MB_129_4  -  [NPTH]  72.5 29.1 0 top
KiKit_MB_130_1  -  [NPTH]  72.5 24.9 0 top
KiKit_MB_130_2  -  [NPTH]  71.5 24.9 0 top
KiKit_MB_130_3  -  [NPTH]  70.5 24.9 0 top
KiKit_MB_130_4  -  [NPTH]  69.5 24.9 0 top
KiKit_MB_131_1  -  [NPTH]  85.5 29.1 0 top
KiKit_MB_131_2  -  [NPTH]  86.5 29.1 0 top
KiKit_MB_131_3  -  [NPTH]  87.5 29.1 0 top
KiKit_MB_131_4  -  [NPTH]  88.5 29.1 0 top
KiKit_MB_132_1  -  [NPTH]  88.5 24.9 0 top
KiKit_MB_132_2  -  [NPTH]  87.5 24.9 0 top
KiKit_MB_132_3  -  [NPTH]  86.5 24.9 0 top
KiKit_MB_132_4  -  [NPTH]  85.5 24.9 0 top
KiKit_MB_133_1  -  [NPTH]  5.5 23.1 0 top
KiKit_MB_133_2  -  [NPTH]  6.5 23.1 0 top
KiKit_MB_133_3  -  [NPTH]  7.5 23.1 0 top
KiKit_MB_133_4  -  [NPTH]  8.5 23.1 0 top
KiKit_MB_134_1  -  [NPTH]  8.5 18.9 0 top
KiKit_MB_134_2  -  [NPTH]  7.5 18.9 0 top
KiKit_MB_134_3  -  [NPTH]  6.5 18.9 0 top
KiKit_MB_134_4  -  [NPTH]  5.5 18.9 0 top
KiKit_MB_135_1  -  [NPTH]  21.5 23.1 0 top
KiKit_MB_135_2  -  [NPTH]  22.5 23.1 0 top
KiKit_MB_135_3  -  [NPTH]  23.5 23.1 0 top
KiKit_MB_135_4  -  [NPTH]  24.5 23.1 0 top
KiKit_MB_136_1  -  [NPTH]  24.5 18.9 0 top
KiKit_MB_136_2  -  [NPTH]  23.5 18.9 0 top
KiKit_MB_136_3  -  [NPTH]  22.5 18.9 0 top
KiKit_MB_136_4  -  [NPTH]  21.5 18.9 0 top
KiKit_MB_137_1  -  [NPTH]  37.5 23.1 0 top
KiKit_MB_137_2  -  [NPTH]  38.5 23.1 0 top
KiKit_MB_137_3  -  [NPTH]  39.5 23.1 0 top
KiKit_MB_137_4  -  [NPTH]  40.5 23.1 0 top
KiKit_MB_138_1  -  [NPTH]  40.5 18.9 0 top
KiKit_MB_138_2  -  [NPTH]  39.5 18.9 0 top
KiKit_MB_138_3  -  [NPTH]  38.5 18.9 0 top
KiKit_MB_138_4  -  [NPTH]  37.5 18.9 0 top
KiKit_MB_139_1  -  [NPTH]  53.5 23.1 0 top
KiKit_MB_139_2  -  [NPTH]  54.5 23.1 0 top
KiKit_MB_139_3  -  [NPTH]  55.5 23.1 0 top
KiKit_MB_139_4  -  [NPTH]  56.5 23.1 0 top
KiKit_MB_140_1  -  [NPTH]  56.5 18.9 0 top
KiKit_MB_140_2  -  [NPTH]  55.5 18.9 0 top
KiKit_MB_140_3  -  [NPTH]  54.5 18.9 0 top
KiKit_MB_140_4  -  [NPTH]  53.5 18.9 0 top
KiKit_MB_141_1  -  [NPTH]  69.5 23.1 0 top
KiKit_MB_141_2  -  [NPTH]  70.5 23.1 0 top
KiKit_MB_141_3  -  [NPTH]  71.5 23.1 0 top
KiKit_MB_141_4  -  [NPTH]  72.5 23.1 0 top
KiKit_MB_142_1  -  [NPTH]  72.5 18.9 0 top
KiKit_MB_142_2  -  [NPTH]  71.5 18.9 0 top
KiKit_MB_142_3  -  [NPTH]  70.5 18.9 0 top
KiKit_MB_142_4  -  [NPTH]  69.5 18.9 0 top
KiKit_MB_143_1  -  [NPTH]  85.5 23.1 0 top
KiKit_MB_143_2  -  [NPTH]  86.5 23.1 0 top
KiKit_MB_143_3  -  [NPTH]  87.5 23.1 0 top
KiKit_MB_143_4  -  [NPTH]  88.5 23.1 0 top
KiKit_MB_144_1  -  [NPTH]  88.5 18.9 0 top
KiKit_MB_144_2  -  [NPTH]  87.5 18.9 0 top
KiKit_MB_144_3  -  [NPTH]  86.5 18.9 0 top
KiKit_MB_144_4  -  [NPTH]  85.5 18.9 0 top
KiKit_MB_145_1  -  [NPTH]  5.5 17.1 0 top
KiKit_MB_145_2  -  [NPTH]  6.5 17.1 0 top
KiKit_MB_145_3  -  [NPTH]  7.5 17.1 0 top
KiKit_MB_145_4  -  [NPTH]  8.5 17.1 0 top
KiKit_MB_146_1  -  [NPTH]  8.5 12.9 0 top
KiKit_MB_146_2  -  [NPTH]  7.5 12.9 0 top
KiKit_MB_146_3  -  [NPTH]  6.5 12.9 0 top
KiKit_MB_146_4  -  [NPTH]  5.5 12.9 0 top
KiKit_MB_147_1  -  [NPTH]  21.5 17.1 0 top
KiKit_MB_147_2  -  [NPTH]  22.5 17.1 0 top
KiKit_MB_147_3  -  [NPTH]  23.5 17.1 0 top
KiKit_MB_147_4  -  [NPTH]  24.5 17.1 0 top
KiKit_MB_148_1  -  [NPTH]  24.5 12.9 0 top
KiKit_MB_148_2  -  [NPTH]  23.5 12.9 0 top
KiKit_MB_148_3  -  [NPTH]  22.5 12.9 0 top
KiKit_MB_148_4  -  [NPTH]  21.5 12.9 0 top
KiKit_MB_149_1  -  [NPTH]  37.5 17.1 0 top
KiKit_MB_149_2  -  [NPTH]  38.5 17.1 0 top
KiKit_MB_149_3  -  [NPTH]  39.5 17.1 0 top
KiKit_MB_149_4  -  [NPTH]  40.5 17.1 0 top
KiKit_MB_150_1  -  [NPTH]  40.5 12.9 0 top
KiKit_MB_150_2  -  [NPTH]  39.5 12.9 0 top
KiKit_MB_150_3  -  [NPTH]  38.5 12.9 0 top
KiKit_MB_150_4  -  [NPTH]  37.5 12.9 0 top
KiKit_MB_151_1  -  [NPTH]  53.5 17.1 0 top
KiKit_MB_151_2  -  [NPTH]  54.5 17.1 0 top
KiKit_MB_151_3  -  [NPTH]  55.5 17.1 0 top
KiKit_MB_151_4  -  [NPTH]  56.5 17.1 0 top
KiKit_MB_152_1  -  [NPTH]  56.5 12.9 0 top
KiKit_MB_152_2  -  [NPTH]  55.5 12.9 0 top
KiKit_MB_152_3  -  [NPTH]  54.5 12.9 0 top
KiKit_MB_152_4  -  [NPTH]  53.5 12.9 0 top
KiKit_MB_153_1  -  [NPTH]  69.5 17.1 0 top
KiKit_MB_153_2  -  [NPTH]  70.5 17.1 0 top
KiKit_MB_153_3  -  [NPTH]  71.5 17.1 0 top
KiKit_MB_153_4  -  [NPTH]  72.5 17.1 0 top
KiKit_MB_154_1  -  [NPTH]  72.5 12.9 0 top
KiKit_MB_154_2  -  [NPTH]  71.5 12.9 0 top
KiKit_MB_154_3  -  [NPTH]  70.5 12.9 0 top
KiKit_MB_154_4  -  [NPTH]  69.5 12.9 0 top
KiKit_MB_155_1  -  [NPTH]  85.5 17.1 0 top
KiKit_MB_155_2  -  [NPTH]  86.5 17.1 0 top
KiKit_MB_155_3  -  [NPTH]  87.5 17.1 0 top
KiKit_MB_155_4  -  [NPTH]  88.5 17.1 0 top
KiKit_MB_156_1  -  [NPTH]  88.5 12.9 0 top
KiKit_MB_156_2  -  [NPTH]  87.5 12.9 0 top
KiKit_MB_156_3  -  [NPTH]  86.5 12.9 0 top
KiKit_MB_156_4  -  [NPTH]  85.5 12.9 0 top
KiKit_MB_157_1  -  [NPTH]  5.5 11.1 0 top
KiKit_MB_157_2  -  [NPTH]  6.5 11.1 0 top
KiKit_MB_157_3  -  [NPTH]  7.5 11.1 0 top
KiKit_MB_157_4  -  [NPTH]  8.5 11.1 0 top
KiKit_MB_158_1  -  [NPTH]  8.5 6.9 0 top
KiKit_MB_158_2  -  [NPTH]  7.5 6.9 0 top
KiKit_MB_158_3  -  [NPTH]  6.5 6.9 0 top
KiKit_MB_158_4  -  [NPTH]  5.5 6.9 0 top
KiKit_MB_159_1  -  [NPTH]  21.5 11.1 0 top
KiKit_MB_159_2  -  [NPTH]  22.5 11.1 0 top
KiKit_MB_159_3  -  [NPTH]  23.5 11.1 0 top
KiKit_MB_159_4  -  [NPTH]  24.5 11.1 0 top
KiKit_MB_160_1  -  [NPTH]  24.5 6.9 0 top
KiKit_MB_160_2  -  [NPTH]  23.5 6.9 0 top
KiKit_MB_160_3  -  [NPTH]  22.5 6.9 0 top
KiKit_MB_160_4  -  [NPTH]  21.5 6.9 0 top
KiKit_MB_161_1  -  [NPTH]  37.5 11.1 0 top
KiKit_MB_161_2  -  [NPTH]  38.5 11.1 0 top
KiKit_MB_161_3  -  [NPTH]  39.5 11.1 0 top
KiKit_MB_161_4  -  [NPTH]  40.5 11.1 0 top
KiKit_MB_162_1  -  [NPTH]  40.5 6.9 0 top
KiKit_MB_162_2  -  [NPTH]  39.5 6.9 0 top
KiKit_MB_162_3  -  [NPTH]  38.5 6.9 0 top
KiKit_MB_162_4  -  [NPTH]  37.5 6.9 0 top
KiKit_MB_163_1  -  [NPTH]  53.5 11.1 0 top
KiKit_MB_163_2  -  [NPTH]  54.5 11.1 0 top
KiKit_MB_163_3  -  [NPTH]  55.5 11.1 0 top
KiKit_MB_163_4  -  [NPTH]  56.5 11.1 0 top
KiKit_MB_164_1  -  [NPTH]  56.5 6.9 0 top
KiKit_MB_164_2  -  [NPTH]  55.5 6.9 0 top
KiKit_MB_164_3  -  [NPTH]  54.5 6.9 0 top
KiKit_MB_164_4  -  [NPTH]  53.5 6.9 0 top
KiKit_MB_165_1  -  [NPTH]  69.5 11.1 0 top
KiKit_MB_165_2  -  [NPTH]  70.5 11.1 0 top
KiKit_MB_165_3  -  [NPTH]  71.5 11.1 0 top
KiKit_MB_165_4  -  [NPTH]  72.5 11.1 0 top
KiKit_MB_166_1  -  [NPTH]  72.5 6.9 0 top
KiKit_MB_166_2  -  [NPTH]  71.5 6.9 0 top
KiKit_MB_166_3  -  [NPTH]  70.5 6.9 0 top
KiKit_MB_166_4  -  [NPTH]  69.5 6.9 0 top
KiKit_MB_167_1  -  [NPTH]  85.5 11.1 0 top
KiKit_MB_167_2  -  [NPTH]  86.5 11.1 0 top
KiKit_MB_167_3  -  [NPTH]  87.5 11.1 0 top
KiKit_MB_167_4  -  [NPTH]  88.5 11.1 0 top
KiKit_MB_168_1  -  [NPTH]  88.5 6.9 0 top
KiKit_MB_168_2  -  [NPTH]  87.5 6.9 0 top
KiKit_MB_168_3  -  [NPTH]  86.5 6.9 0 top
KiKit_MB_168_4  -  [NPTH]  85.5 6.9 0 top
R1  R_US  [R_0805_2012Metric_Pad1.20x1.40mm_HandSolder]  72 45 90 top
R1#2  R_US  [R_0805_2012Metric_Pad1.20x1.40mm_HandSolder]  8 87 90 top
R1#3  R_US  [R_0805_2012Metric_Pad1.20x1.40mm_HandSolder]  72 57 90 top
R1#4  R_US  [R_0805_2012Metric_Pad1.20x1.40mm_HandSolder]  56 21 90 top
R1#5  R_US  [R_0805_2012Metric_Pad1.20x1.40mm_HandSolder]  8 69 90 top
R1#6  R_US  [R_0805_2012Metric_Pad1.20x1.40mm_HandSolder]  8 21 90 top
R1#7  R_US  [R_0805_2012Metric_Pad1.20x1.40mm_HandSolder]  56 57 90 top
R1#8  R_US  [R_0805_2012Metric_Pad1.20x1.40mm_HandSolder]  8 57 90 top
R1#9  R_US  [R_0805_2012Metric_Pad1.20x1.40mm_HandSolder]  56 51 90 top
R1#10  R_US  [R_0805_2012Metric_Pad1.20x1.40mm_HandSolder]  88 45 90 top
R1#11  R_US  [R_0805_2012Metric_Pad1.20x1.40mm_HandSolder]  56 81 90 top
R1#12  R_US  [R_0805_2012Metric_Pad1.20x1.40mm_HandSolder]  56 69 90 top
R1#13  R_US  [R_0805_2012Metric_Pad1.20x1.40mm_HandSolder]  24 15 90 top
R1#14  R_US  [R_0805_2012Metric_Pad1.20x1.40mm_HandSolder]  40 21 90 top
R1#15  R_US  [R_0805_2012Metric_Pad1.20x1.40mm_HandSolder]  24 51 90 top
R1#16  R_US  [R_0805_2012Metric_Pad1.20x1.40mm_HandSolder]  8 63 90 top
R1#17  R_US  [R_0805_2012Metric_Pad1.20x1.40mm_HandSolder]  72 75 90 top
